# Altium PCB Tag201_GangProgrammerRev2.PcbDoc (part 5 of 7)
Units mil, origin at the board's own origin, x right, y up, seen from the top; angles counter-clockwise.
Board outline 10400 x 10885 mil, 4 copper layers (Top Layer, VCC, GND, Bottom Layer), stack 67.2 mil thick; 831 components, 394 nets, 2486 pads, 638 vias.
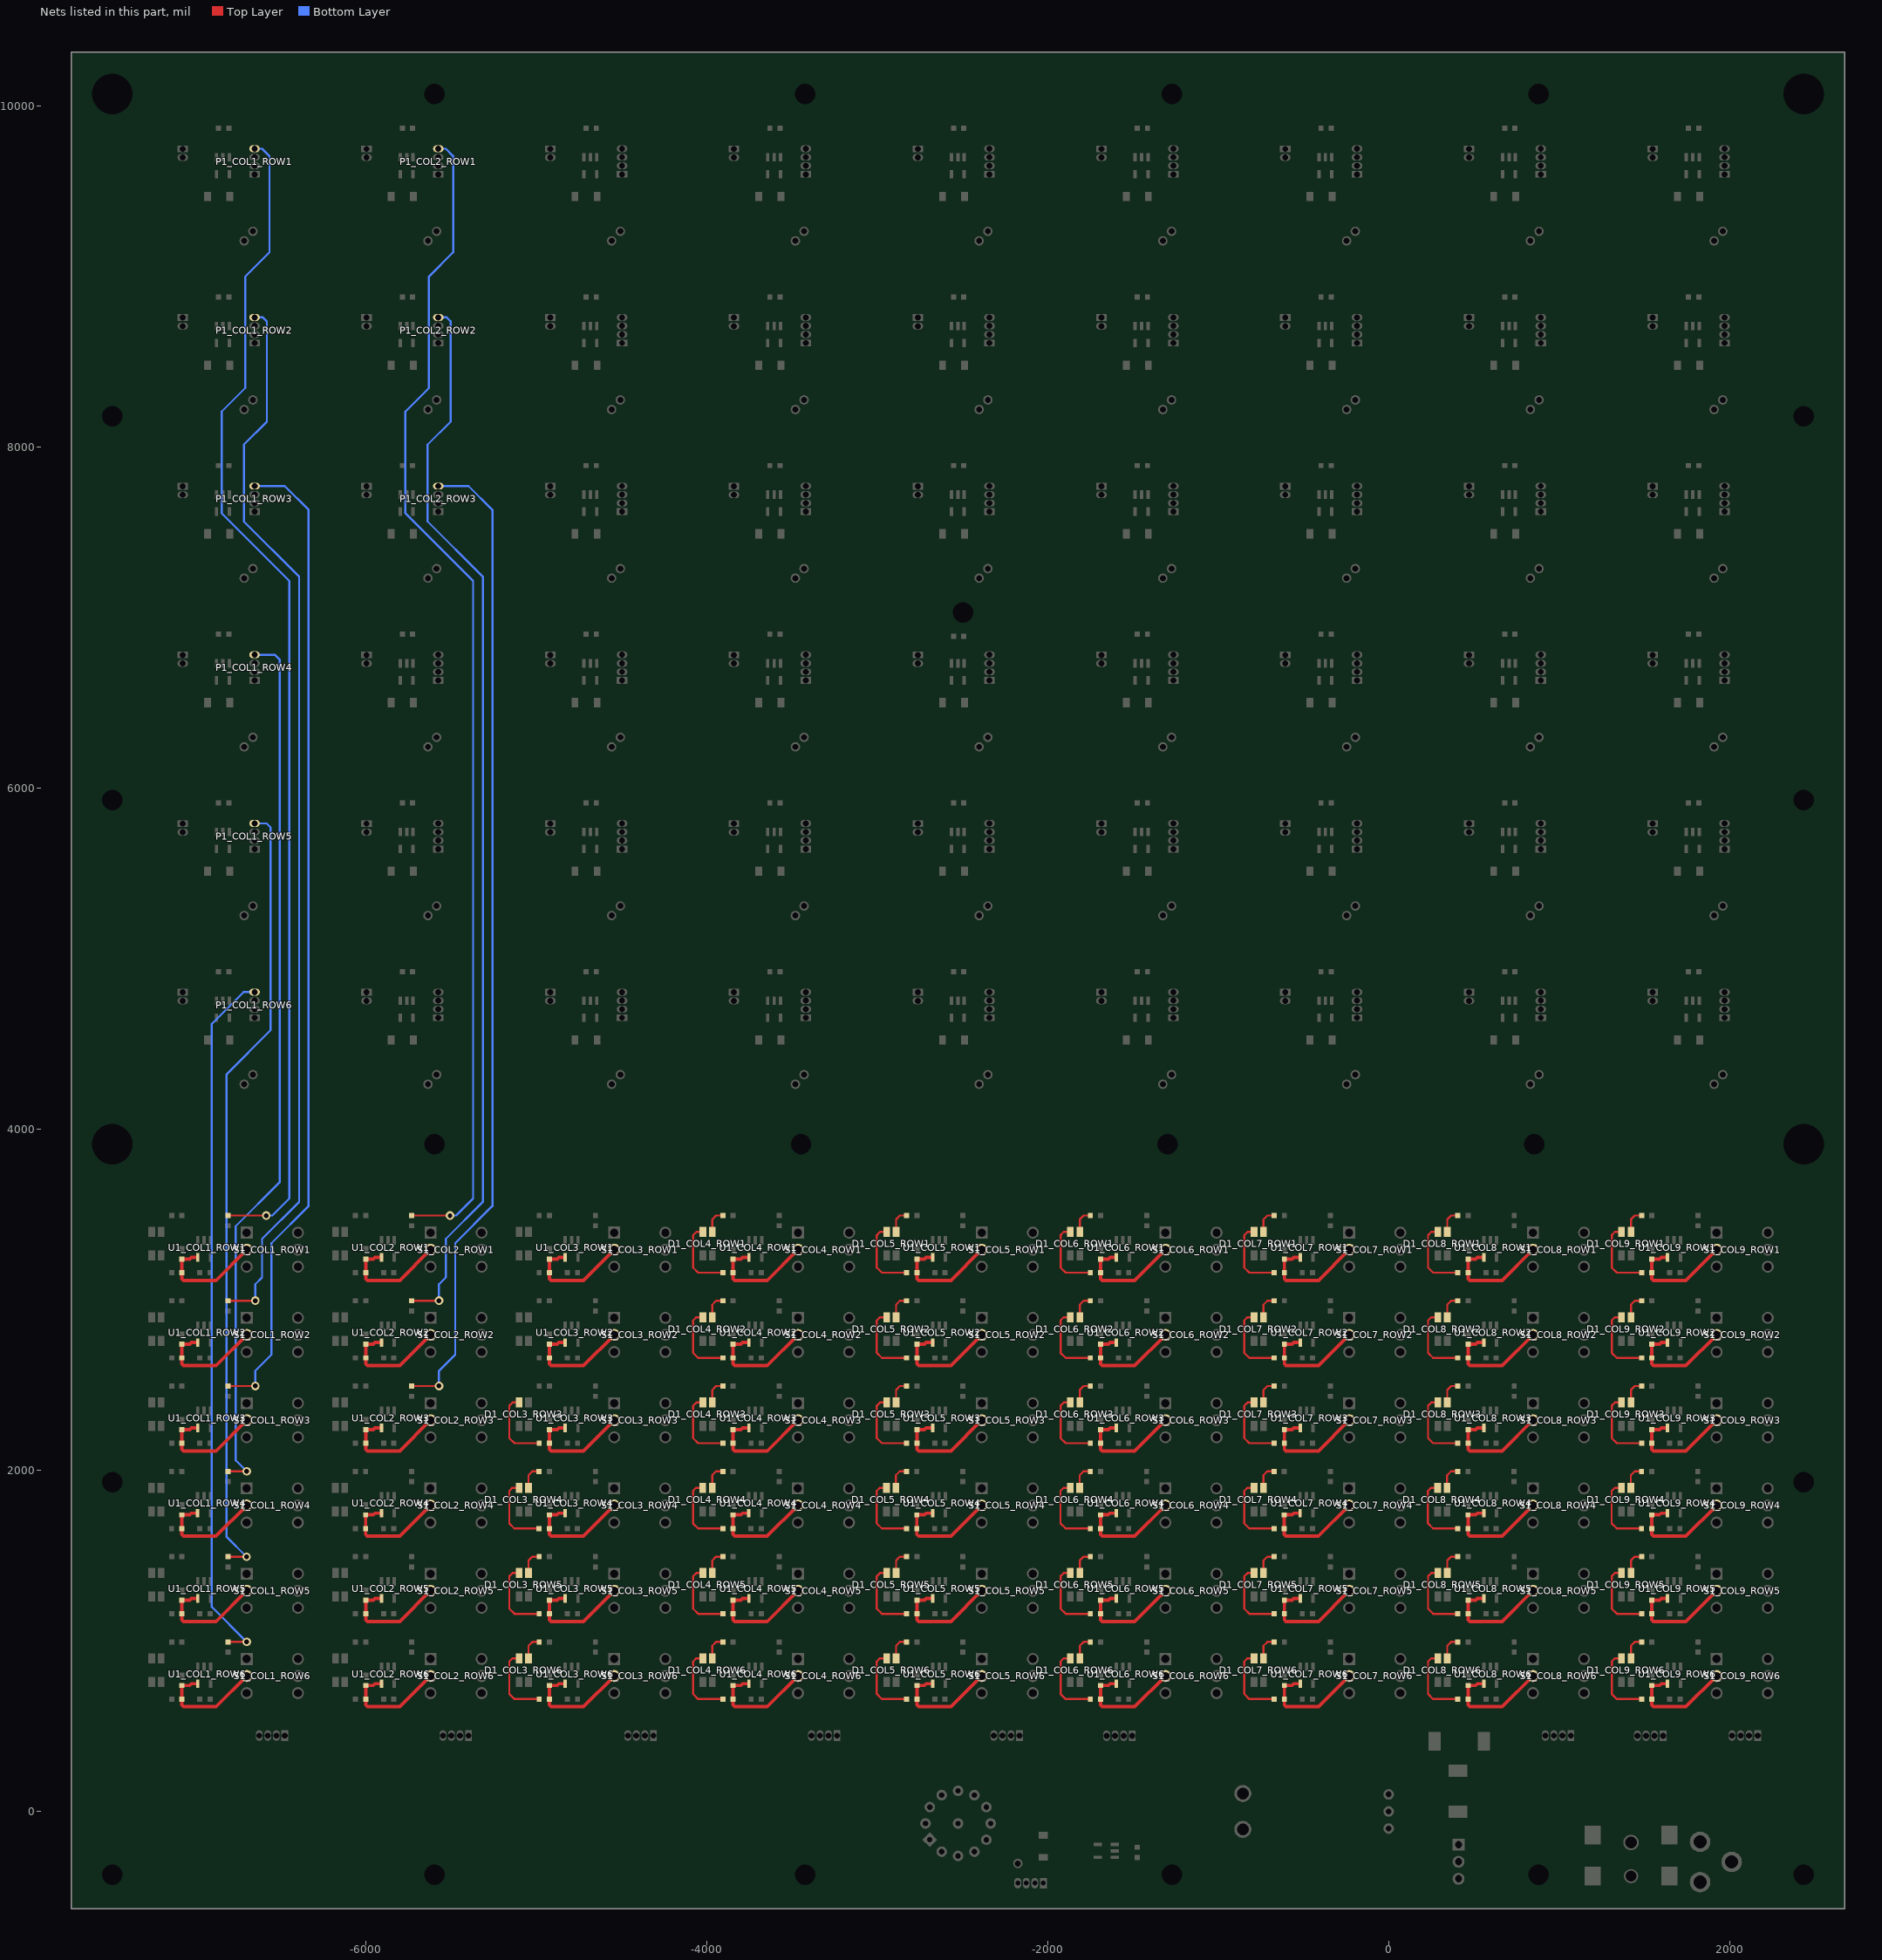
[diagram p7: the nets of this part, all layers, seen from the top]

## Via types
v1: diameter 50, hole 28, Top Layer to Bottom Layer, tented both sides, 638 vias

## Nets (pads, with @x,y where several pads share a name; then routed paths per layer and width w, separated by ;. In a path a pad name is that pad's centre, name@x,y a point inside that pad or via, vN(x,y) a via of type N, cw(c..) or ccw(c..) an arc to the next point about the centre after c; other vN are vias at no path point) (continued)
NetD1_COL3_ROW3_2: D1_COL3_ROW3.2 R2_COL3_ROW3.1 | length 1328.1
  Top Layer w12: -5156.5,2189 -5126.5,2159 ; -5156.5,2189 -5156.5,2379 ; -5156.5,2189 -5126.5,2159 ; -5156.5,2189 -5156.5,2379 ; -5156.5,2189 -5126.5,2159 ; -5156.5,2189 -5156.5,2379 ; -5156.5,2379 -5137.6,2397.9 ; -5156.5,2379 -5137.6,2397.9 ; -5156.5,2379 -5137.6,2397.9 ; -5137.6,2397.9 D1_COL3_ROW3.2@-5099.06,2397.9 ; -5137.6,2397.9 D1_COL3_ROW3.2@-5099.06,2397.9 ; -5137.6,2397.9 D1_COL3_ROW3.2@-5099.06,2397.9 ; -5126.5,2159 R2_COL3_ROW3.1@-4981.5,2159 ; -5126.5,2159 R2_COL3_ROW3.1@-4981.5,2159 ; -5126.5,2159 R2_COL3_ROW3.1@-4981.5,2159
NetD1_COL3_ROW4_1: D1_COL3_ROW4.1 R1_COL3_ROW4.1 | length 145.4
  Top Layer w12: D1_COL3_ROW4.1@-5044.44,1897.9 -5044.44,1971.56 -5022,1994 R1_COL3_ROW4.1@-4982,1994
NetD1_COL3_ROW4_2: D1_COL3_ROW4.2 R2_COL3_ROW4.1 | length 1328.1
  Top Layer w12: -5157,1689 -5127,1659 ; -5157,1689 -5157,1879 ; -5157,1689 -5127,1659 ; -5157,1689 -5157,1879 ; -5157,1689 -5127,1659 ; -5157,1689 -5157,1879 ; -5157,1879 -5138.1,1897.9 ; -5157,1879 -5138.1,1897.9 ; -5157,1879 -5138.1,1897.9 ; -5138.1,1897.9 D1_COL3_ROW4.2@-5099.56,1897.9 ; -5138.1,1897.9 D1_COL3_ROW4.2@-5099.56,1897.9 ; -5138.1,1897.9 D1_COL3_ROW4.2@-5099.56,1897.9 ; -5127,1659 R2_COL3_ROW4.1@-4982,1659 ; -5127,1659 R2_COL3_ROW4.1@-4982,1659 ; -5127,1659 R2_COL3_ROW4.1@-4982,1659
NetD1_COL3_ROW5_1: D1_COL3_ROW5.1 R1_COL3_ROW5.1 | length 145.4
  Top Layer w12: D1_COL3_ROW5.1@-5043.94,1397.9 -5043.94,1471.56 -5021.5,1494 R1_COL3_ROW5.1@-4981.5,1494
NetD1_COL3_ROW5_2: D1_COL3_ROW5.2 R2_COL3_ROW5.1 | length 1328.1
  Top Layer w12: -5156.5,1189 -5126.5,1159 ; -5156.5,1189 -5156.5,1379 ; -5156.5,1189 -5126.5,1159 ; -5156.5,1189 -5156.5,1379 ; -5156.5,1189 -5126.5,1159 ; -5156.5,1189 -5156.5,1379 ; -5156.5,1379 -5137.6,1397.9 ; -5156.5,1379 -5137.6,1397.9 ; -5156.5,1379 -5137.6,1397.9 ; -5137.6,1397.9 D1_COL3_ROW5.2@-5099.06,1397.9 ; -5137.6,1397.9 D1_COL3_ROW5.2@-5099.06,1397.9 ; -5137.6,1397.9 D1_COL3_ROW5.2@-5099.06,1397.9 ; -5126.5,1159 R2_COL3_ROW5.1@-4981.5,1159 ; -5126.5,1159 R2_COL3_ROW5.1@-4981.5,1159 ; -5126.5,1159 R2_COL3_ROW5.1@-4981.5,1159
NetD1_COL3_ROW6_1: D1_COL3_ROW6.1 R1_COL3_ROW6.1 | length 145.4
  Top Layer w12: D1_COL3_ROW6.1@-5043.94,897.9 -5043.94,971.56 -5021.5,994 R1_COL3_ROW6.1@-4981.5,994
NetD1_COL3_ROW6_2: D1_COL3_ROW6.2 R2_COL3_ROW6.1 | length 1328.1
  Top Layer w12: -5156.5,689 -5126.5,659 ; -5156.5,689 -5156.5,879 ; -5156.5,689 -5126.5,659 ; -5156.5,689 -5156.5,879 ; -5156.5,689 -5126.5,659 ; -5156.5,689 -5156.5,879 ; -5156.5,879 -5137.6,897.9 ; -5156.5,879 -5137.6,897.9 ; -5156.5,879 -5137.6,897.9 ; -5137.6,897.9 D1_COL3_ROW6.2@-5099.06,897.9 ; -5137.6,897.9 D1_COL3_ROW6.2@-5099.06,897.9 ; -5137.6,897.9 D1_COL3_ROW6.2@-5099.06,897.9 ; -5126.5,659 R2_COL3_ROW6.1@-4981.5,659 ; -5126.5,659 R2_COL3_ROW6.1@-4981.5,659 ; -5126.5,659 R2_COL3_ROW6.1@-4981.5,659
NetD1_COL4_ROW1_1: D1_COL4_ROW1.1 R1_COL4_ROW1.1 | length 145.4
  Top Layer w12: D1_COL4_ROW1.1@-3966.44,3397.9 -3966.44,3471.56 -3944,3494 R1_COL4_ROW1.1@-3904,3494
NetD1_COL4_ROW1_2: D1_COL4_ROW1.2 R2_COL4_ROW1.1 | length 1328.1
  Top Layer w12: -4079,3189 -4049,3159 ; -4079,3189 -4079,3379 ; -4079,3189 -4049,3159 ; -4079,3189 -4079,3379 ; -4079,3189 -4049,3159 ; -4079,3189 -4079,3379 ; -4079,3379 -4060.1,3397.9 ; -4079,3379 -4060.1,3397.9 ; -4079,3379 -4060.1,3397.9 ; -4060.1,3397.9 D1_COL4_ROW1.2@-4021.56,3397.9 ; -4060.1,3397.9 D1_COL4_ROW1.2@-4021.56,3397.9 ; -4060.1,3397.9 D1_COL4_ROW1.2@-4021.56,3397.9 ; -4049,3159 R2_COL4_ROW1.1@-3904,3159 ; -4049,3159 R2_COL4_ROW1.1@-3904,3159 ; -4049,3159 R2_COL4_ROW1.1@-3904,3159
NetD1_COL4_ROW2_1: D1_COL4_ROW2.1 R1_COL4_ROW2.1 | length 145.4
  Top Layer w12: D1_COL4_ROW2.1@-3966.44,2897.9 -3966.44,2971.56 -3944,2994 R1_COL4_ROW2.1@-3904,2994
NetD1_COL4_ROW2_2: D1_COL4_ROW2.2 R2_COL4_ROW2.1 | length 1328.1
  Top Layer w12: -4079,2689 -4049,2659 ; -4079,2689 -4079,2879 ; -4079,2689 -4049,2659 ; -4079,2689 -4079,2879 ; -4079,2689 -4049,2659 ; -4079,2689 -4079,2879 ; -4079,2879 -4060.1,2897.9 ; -4079,2879 -4060.1,2897.9 ; -4079,2879 -4060.1,2897.9 ; -4060.1,2897.9 D1_COL4_ROW2.2@-4021.56,2897.9 ; -4060.1,2897.9 D1_COL4_ROW2.2@-4021.56,2897.9 ; -4060.1,2897.9 D1_COL4_ROW2.2@-4021.56,2897.9 ; -4049,2659 R2_COL4_ROW2.1@-3904,2659 ; -4049,2659 R2_COL4_ROW2.1@-3904,2659 ; -4049,2659 R2_COL4_ROW2.1@-3904,2659
NetD1_COL4_ROW3_1: D1_COL4_ROW3.1 R1_COL4_ROW3.1 | length 145.4
  Top Layer w12: D1_COL4_ROW3.1@-3966.44,2397.9 -3966.44,2471.56 -3944,2494 R1_COL4_ROW3.1@-3904,2494
NetD1_COL4_ROW3_2: D1_COL4_ROW3.2 R2_COL4_ROW3.1 | length 1328.1
  Top Layer w12: -4079,2189 -4049,2159 ; -4079,2189 -4079,2379 ; -4079,2189 -4049,2159 ; -4079,2189 -4079,2379 ; -4079,2189 -4049,2159 ; -4079,2189 -4079,2379 ; -4079,2379 -4060.1,2397.9 ; -4079,2379 -4060.1,2397.9 ; -4079,2379 -4060.1,2397.9 ; -4060.1,2397.9 D1_COL4_ROW3.2@-4021.56,2397.9 ; -4060.1,2397.9 D1_COL4_ROW3.2@-4021.56,2397.9 ; -4060.1,2397.9 D1_COL4_ROW3.2@-4021.56,2397.9 ; -4049,2159 R2_COL4_ROW3.1@-3904,2159 ; -4049,2159 R2_COL4_ROW3.1@-3904,2159 ; -4049,2159 R2_COL4_ROW3.1@-3904,2159
NetD1_COL4_ROW4_1: D1_COL4_ROW4.1 R1_COL4_ROW4.1 | length 145.4
  Top Layer w12: D1_COL4_ROW4.1@-3966.94,1897.9 -3966.94,1971.56 -3944.5,1994 R1_COL4_ROW4.1@-3904.5,1994
NetD1_COL4_ROW4_2: D1_COL4_ROW4.2 R2_COL4_ROW4.1 | length 1328.1
  Top Layer w12: -4079.5,1689 -4049.5,1659 ; -4079.5,1689 -4079.5,1879 ; -4079.5,1689 -4049.5,1659 ; -4079.5,1689 -4079.5,1879 ; -4079.5,1689 -4049.5,1659 ; -4079.5,1689 -4079.5,1879 ; -4079.5,1879 -4060.6,1897.9 ; -4079.5,1879 -4060.6,1897.9 ; -4079.5,1879 -4060.6,1897.9 ; -4060.6,1897.9 D1_COL4_ROW4.2@-4022.06,1897.9 ; -4060.6,1897.9 D1_COL4_ROW4.2@-4022.06,1897.9 ; -4060.6,1897.9 D1_COL4_ROW4.2@-4022.06,1897.9 ; -4049.5,1659 R2_COL4_ROW4.1@-3904.5,1659 ; -4049.5,1659 R2_COL4_ROW4.1@-3904.5,1659 ; -4049.5,1659 R2_COL4_ROW4.1@-3904.5,1659
NetD1_COL4_ROW5_1: D1_COL4_ROW5.1 R1_COL4_ROW5.1 | length 145.4
  Top Layer w12: D1_COL4_ROW5.1@-3966.44,1397.9 -3966.44,1471.56 -3944,1494 R1_COL4_ROW5.1@-3904,1494
NetD1_COL4_ROW5_2: D1_COL4_ROW5.2 R2_COL4_ROW5.1 | length 1328.1
  Top Layer w12: -4079,1189 -4049,1159 ; -4079,1189 -4079,1379 ; -4079,1189 -4049,1159 ; -4079,1189 -4079,1379 ; -4079,1189 -4049,1159 ; -4079,1189 -4079,1379 ; -4079,1379 -4060.1,1397.9 ; -4079,1379 -4060.1,1397.9 ; -4079,1379 -4060.1,1397.9 ; -4060.1,1397.9 D1_COL4_ROW5.2@-4021.56,1397.9 ; -4060.1,1397.9 D1_COL4_ROW5.2@-4021.56,1397.9 ; -4060.1,1397.9 D1_COL4_ROW5.2@-4021.56,1397.9 ; -4049,1159 R2_COL4_ROW5.1@-3904,1159 ; -4049,1159 R2_COL4_ROW5.1@-3904,1159 ; -4049,1159 R2_COL4_ROW5.1@-3904,1159
NetD1_COL4_ROW6_1: D1_COL4_ROW6.1 R1_COL4_ROW6.1 | length 145.4
  Top Layer w12: D1_COL4_ROW6.1@-3966.44,897.9 -3966.44,971.56 -3944,994 R1_COL4_ROW6.1@-3904,994
NetD1_COL4_ROW6_2: D1_COL4_ROW6.2 R2_COL4_ROW6.1 | length 1328.1
  Top Layer w12: -4079,689 -4049,659 ; -4079,689 -4079,879 ; -4079,689 -4049,659 ; -4079,689 -4079,879 ; -4079,689 -4049,659 ; -4079,689 -4079,879 ; -4079,879 -4060.1,897.9 ; -4079,879 -4060.1,897.9 ; -4079,879 -4060.1,897.9 ; -4060.1,897.9 D1_COL4_ROW6.2@-4021.56,897.9 ; -4060.1,897.9 D1_COL4_ROW6.2@-4021.56,897.9 ; -4060.1,897.9 D1_COL4_ROW6.2@-4021.56,897.9 ; -4049,659 R2_COL4_ROW6.1@-3904,659 ; -4049,659 R2_COL4_ROW6.1@-3904,659 ; -4049,659 R2_COL4_ROW6.1@-3904,659
NetD1_COL5_ROW1_1: D1_COL5_ROW1.1 R1_COL5_ROW1.1 | length 145.4
  Top Layer w12: D1_COL5_ROW1.1@-2888.94,3397.9 -2888.94,3471.56 -2866.5,3494 R1_COL5_ROW1.1@-2826.5,3494
NetD1_COL5_ROW1_2: D1_COL5_ROW1.2 R2_COL5_ROW1.1 | length 1328.1
  Top Layer w12: -3001.5,3189 -2971.5,3159 ; -3001.5,3189 -3001.5,3379 ; -3001.5,3189 -2971.5,3159 ; -3001.5,3189 -3001.5,3379 ; -3001.5,3189 -2971.5,3159 ; -3001.5,3189 -3001.5,3379 ; -3001.5,3379 -2982.6,3397.9 ; -3001.5,3379 -2982.6,3397.9 ; -3001.5,3379 -2982.6,3397.9 ; -2982.6,3397.9 D1_COL5_ROW1.2@-2944.06,3397.9 ; -2982.6,3397.9 D1_COL5_ROW1.2@-2944.06,3397.9 ; -2982.6,3397.9 D1_COL5_ROW1.2@-2944.06,3397.9 ; -2971.5,3159 R2_COL5_ROW1.1@-2826.5,3159 ; -2971.5,3159 R2_COL5_ROW1.1@-2826.5,3159 ; -2971.5,3159 R2_COL5_ROW1.1@-2826.5,3159
NetD1_COL5_ROW2_1: D1_COL5_ROW2.1 R1_COL5_ROW2.1 | length 145.4
  Top Layer w12: D1_COL5_ROW2.1@-2888.94,2897.9 -2888.94,2971.56 -2866.5,2994 R1_COL5_ROW2.1@-2826.5,2994
NetD1_COL5_ROW2_2: D1_COL5_ROW2.2 R2_COL5_ROW2.1 | length 1328.1
  Top Layer w12: -3001.5,2689 -2971.5,2659 ; -3001.5,2689 -3001.5,2879 ; -3001.5,2689 -2971.5,2659 ; -3001.5,2689 -3001.5,2879 ; -3001.5,2689 -2971.5,2659 ; -3001.5,2689 -3001.5,2879 ; -3001.5,2879 -2982.6,2897.9 ; -3001.5,2879 -2982.6,2897.9 ; -3001.5,2879 -2982.6,2897.9 ; -2982.6,2897.9 D1_COL5_ROW2.2@-2944.06,2897.9 ; -2982.6,2897.9 D1_COL5_ROW2.2@-2944.06,2897.9 ; -2982.6,2897.9 D1_COL5_ROW2.2@-2944.06,2897.9 ; -2971.5,2659 R2_COL5_ROW2.1@-2826.5,2659 ; -2971.5,2659 R2_COL5_ROW2.1@-2826.5,2659 ; -2971.5,2659 R2_COL5_ROW2.1@-2826.5,2659
NetD1_COL5_ROW3_1: D1_COL5_ROW3.1 R1_COL5_ROW3.1 | length 145.4
  Top Layer w12: D1_COL5_ROW3.1@-2888.94,2397.9 -2888.94,2471.56 -2866.5,2494 R1_COL5_ROW3.1@-2826.5,2494
NetD1_COL5_ROW3_2: D1_COL5_ROW3.2 R2_COL5_ROW3.1 | length 1328.1
  Top Layer w12: -3001.5,2189 -2971.5,2159 ; -3001.5,2189 -3001.5,2379 ; -3001.5,2189 -2971.5,2159 ; -3001.5,2189 -3001.5,2379 ; -3001.5,2189 -2971.5,2159 ; -3001.5,2189 -3001.5,2379 ; -3001.5,2379 -2982.6,2397.9 ; -3001.5,2379 -2982.6,2397.9 ; -3001.5,2379 -2982.6,2397.9 ; -2982.6,2397.9 D1_COL5_ROW3.2@-2944.06,2397.9 ; -2982.6,2397.9 D1_COL5_ROW3.2@-2944.06,2397.9 ; -2982.6,2397.9 D1_COL5_ROW3.2@-2944.06,2397.9 ; -2971.5,2159 R2_COL5_ROW3.1@-2826.5,2159 ; -2971.5,2159 R2_COL5_ROW3.1@-2826.5,2159 ; -2971.5,2159 R2_COL5_ROW3.1@-2826.5,2159
NetD1_COL5_ROW4_1: D1_COL5_ROW4.1 R1_COL5_ROW4.1 | length 145.4
  Top Layer w12: D1_COL5_ROW4.1@-2889.44,1897.9 -2889.44,1971.56 -2867,1994 R1_COL5_ROW4.1@-2827,1994
NetD1_COL5_ROW4_2: D1_COL5_ROW4.2 R2_COL5_ROW4.1 | length 1328.1
  Top Layer w12: -3002,1689 -2972,1659 ; -3002,1689 -3002,1879 ; -3002,1689 -2972,1659 ; -3002,1689 -3002,1879 ; -3002,1689 -2972,1659 ; -3002,1689 -3002,1879 ; -3002,1879 -2983.1,1897.9 ; -3002,1879 -2983.1,1897.9 ; -3002,1879 -2983.1,1897.9 ; -2983.1,1897.9 D1_COL5_ROW4.2@-2944.56,1897.9 ; -2983.1,1897.9 D1_COL5_ROW4.2@-2944.56,1897.9 ; -2983.1,1897.9 D1_COL5_ROW4.2@-2944.56,1897.9 ; -2972,1659 R2_COL5_ROW4.1@-2827,1659 ; -2972,1659 R2_COL5_ROW4.1@-2827,1659 ; -2972,1659 R2_COL5_ROW4.1@-2827,1659
NetD1_COL5_ROW5_1: D1_COL5_ROW5.1 R1_COL5_ROW5.1 | length 145.4
  Top Layer w12: D1_COL5_ROW5.1@-2888.94,1397.9 -2888.94,1471.56 -2866.5,1494 R1_COL5_ROW5.1@-2826.5,1494
NetD1_COL5_ROW5_2: D1_COL5_ROW5.2 R2_COL5_ROW5.1 | length 1328.1
  Top Layer w12: -3001.5,1189 -2971.5,1159 ; -3001.5,1189 -3001.5,1379 ; -3001.5,1189 -2971.5,1159 ; -3001.5,1189 -3001.5,1379 ; -3001.5,1189 -2971.5,1159 ; -3001.5,1189 -3001.5,1379 ; -3001.5,1379 -2982.6,1397.9 ; -3001.5,1379 -2982.6,1397.9 ; -3001.5,1379 -2982.6,1397.9 ; -2982.6,1397.9 D1_COL5_ROW5.2@-2944.06,1397.9 ; -2982.6,1397.9 D1_COL5_ROW5.2@-2944.06,1397.9 ; -2982.6,1397.9 D1_COL5_ROW5.2@-2944.06,1397.9 ; -2971.5,1159 R2_COL5_ROW5.1@-2826.5,1159 ; -2971.5,1159 R2_COL5_ROW5.1@-2826.5,1159 ; -2971.5,1159 R2_COL5_ROW5.1@-2826.5,1159
NetD1_COL5_ROW6_1: D1_COL5_ROW6.1 R1_COL5_ROW6.1 | length 145.4
  Top Layer w12: D1_COL5_ROW6.1@-2888.94,897.9 -2888.94,971.56 -2866.5,994 R1_COL5_ROW6.1@-2826.5,994
NetD1_COL5_ROW6_2: D1_COL5_ROW6.2 R2_COL5_ROW6.1 | length 1328.1
  Top Layer w12: -3001.5,689 -2971.5,659 ; -3001.5,689 -3001.5,879 ; -3001.5,689 -2971.5,659 ; -3001.5,689 -3001.5,879 ; -3001.5,689 -2971.5,659 ; -3001.5,689 -3001.5,879 ; -3001.5,879 -2982.6,897.9 ; -3001.5,879 -2982.6,897.9 ; -3001.5,879 -2982.6,897.9 ; -2982.6,897.9 D1_COL5_ROW6.2@-2944.06,897.9 ; -2982.6,897.9 D1_COL5_ROW6.2@-2944.06,897.9 ; -2982.6,897.9 D1_COL5_ROW6.2@-2944.06,897.9 ; -2971.5,659 R2_COL5_ROW6.1@-2826.5,659 ; -2971.5,659 R2_COL5_ROW6.1@-2826.5,659 ; -2971.5,659 R2_COL5_ROW6.1@-2826.5,659
NetD1_COL6_ROW1_1: D1_COL6_ROW1.1 R1_COL6_ROW1.1 | length 145.4
  Top Layer w12: D1_COL6_ROW1.1@-1811.44,3397.9 -1811.44,3471.56 -1789,3494 R1_COL6_ROW1.1@-1749,3494
NetD1_COL6_ROW1_2: D1_COL6_ROW1.2 R2_COL6_ROW1.1 | length 1328.1
  Top Layer w12: -1924,3189 -1894,3159 ; -1924,3189 -1924,3379 ; -1924,3189 -1894,3159 ; -1924,3189 -1924,3379 ; -1924,3189 -1894,3159 ; -1924,3189 -1924,3379 ; -1924,3379 -1905.1,3397.9 ; -1924,3379 -1905.1,3397.9 ; -1924,3379 -1905.1,3397.9 ; -1905.1,3397.9 D1_COL6_ROW1.2@-1866.56,3397.9 ; -1905.1,3397.9 D1_COL6_ROW1.2@-1866.56,3397.9 ; -1905.1,3397.9 D1_COL6_ROW1.2@-1866.56,3397.9 ; -1894,3159 R2_COL6_ROW1.1@-1749,3159 ; -1894,3159 R2_COL6_ROW1.1@-1749,3159 ; -1894,3159 R2_COL6_ROW1.1@-1749,3159
NetD1_COL6_ROW2_1: D1_COL6_ROW2.1 R1_COL6_ROW2.1 | length 145.4
  Top Layer w12: D1_COL6_ROW2.1@-1811.44,2897.9 -1811.44,2971.56 -1789,2994 R1_COL6_ROW2.1@-1749,2994
NetD1_COL6_ROW2_2: D1_COL6_ROW2.2 R2_COL6_ROW2.1 | length 1328.1
  Top Layer w12: -1924,2689 -1894,2659 ; -1924,2689 -1924,2879 ; -1924,2689 -1894,2659 ; -1924,2689 -1924,2879 ; -1924,2689 -1894,2659 ; -1924,2689 -1924,2879 ; -1924,2879 -1905.1,2897.9 ; -1924,2879 -1905.1,2897.9 ; -1924,2879 -1905.1,2897.9 ; -1905.1,2897.9 D1_COL6_ROW2.2@-1866.56,2897.9 ; -1905.1,2897.9 D1_COL6_ROW2.2@-1866.56,2897.9 ; -1905.1,2897.9 D1_COL6_ROW2.2@-1866.56,2897.9 ; -1894,2659 R2_COL6_ROW2.1@-1749,2659 ; -1894,2659 R2_COL6_ROW2.1@-1749,2659 ; -1894,2659 R2_COL6_ROW2.1@-1749,2659
NetD1_COL6_ROW3_1: D1_COL6_ROW3.1 R1_COL6_ROW3.1 | length 145.4
  Top Layer w12: D1_COL6_ROW3.1@-1811.44,2397.9 -1811.44,2471.56 -1789,2494 R1_COL6_ROW3.1@-1749,2494
NetD1_COL6_ROW3_2: D1_COL6_ROW3.2 R2_COL6_ROW3.1 | length 1328.1
  Top Layer w12: -1924,2189 -1894,2159 ; -1924,2189 -1924,2379 ; -1924,2189 -1894,2159 ; -1924,2189 -1924,2379 ; -1924,2189 -1894,2159 ; -1924,2189 -1924,2379 ; -1924,2379 -1905.1,2397.9 ; -1924,2379 -1905.1,2397.9 ; -1924,2379 -1905.1,2397.9 ; -1905.1,2397.9 D1_COL6_ROW3.2@-1866.56,2397.9 ; -1905.1,2397.9 D1_COL6_ROW3.2@-1866.56,2397.9 ; -1905.1,2397.9 D1_COL6_ROW3.2@-1866.56,2397.9 ; -1894,2159 R2_COL6_ROW3.1@-1749,2159 ; -1894,2159 R2_COL6_ROW3.1@-1749,2159 ; -1894,2159 R2_COL6_ROW3.1@-1749,2159
NetD1_COL6_ROW4_1: D1_COL6_ROW4.1 R1_COL6_ROW4.1 | length 145.4
  Top Layer w12: D1_COL6_ROW4.1@-1811.94,1897.9 -1811.94,1971.56 -1789.5,1994 R1_COL6_ROW4.1@-1749.5,1994
NetD1_COL6_ROW4_2: D1_COL6_ROW4.2 R2_COL6_ROW4.1 | length 1328.1
  Top Layer w12: -1924.5,1689 -1894.5,1659 ; -1924.5,1689 -1924.5,1879 ; -1924.5,1689 -1894.5,1659 ; -1924.5,1689 -1924.5,1879 ; -1924.5,1689 -1894.5,1659 ; -1924.5,1689 -1924.5,1879 ; -1924.5,1879 -1905.6,1897.9 ; -1924.5,1879 -1905.6,1897.9 ; -1924.5,1879 -1905.6,1897.9 ; -1905.6,1897.9 D1_COL6_ROW4.2@-1867.06,1897.9 ; -1905.6,1897.9 D1_COL6_ROW4.2@-1867.06,1897.9 ; -1905.6,1897.9 D1_COL6_ROW4.2@-1867.06,1897.9 ; -1894.5,1659 R2_COL6_ROW4.1@-1749.5,1659 ; -1894.5,1659 R2_COL6_ROW4.1@-1749.5,1659 ; -1894.5,1659 R2_COL6_ROW4.1@-1749.5,1659
NetD1_COL6_ROW5_1: D1_COL6_ROW5.1 R1_COL6_ROW5.1 | length 145.4
  Top Layer w12: D1_COL6_ROW5.1@-1811.44,1397.9 -1811.44,1471.56 -1789,1494 R1_COL6_ROW5.1@-1749,1494
NetD1_COL6_ROW5_2: D1_COL6_ROW5.2 R2_COL6_ROW5.1 | length 1328.1
  Top Layer w12: -1924,1189 -1894,1159 ; -1924,1189 -1924,1379 ; -1924,1189 -1894,1159 ; -1924,1189 -1924,1379 ; -1924,1189 -1894,1159 ; -1924,1189 -1924,1379 ; -1924,1379 -1905.1,1397.9 ; -1924,1379 -1905.1,1397.9 ; -1924,1379 -1905.1,1397.9 ; -1905.1,1397.9 D1_COL6_ROW5.2@-1866.56,1397.9 ; -1905.1,1397.9 D1_COL6_ROW5.2@-1866.56,1397.9 ; -1905.1,1397.9 D1_COL6_ROW5.2@-1866.56,1397.9 ; -1894,1159 R2_COL6_ROW5.1@-1749,1159 ; -1894,1159 R2_COL6_ROW5.1@-1749,1159 ; -1894,1159 R2_COL6_ROW5.1@-1749,1159
NetD1_COL6_ROW6_1: D1_COL6_ROW6.1 R1_COL6_ROW6.1 | length 145.4
  Top Layer w12: D1_COL6_ROW6.1@-1811.44,897.9 -1811.44,971.56 -1789,994 R1_COL6_ROW6.1@-1749,994
NetD1_COL6_ROW6_2: D1_COL6_ROW6.2 R2_COL6_ROW6.1 | length 1328.1
  Top Layer w12: -1924,689 -1894,659 ; -1924,689 -1924,879 ; -1924,689 -1894,659 ; -1924,689 -1924,879 ; -1924,689 -1894,659 ; -1924,689 -1924,879 ; -1924,879 -1905.1,897.9 ; -1924,879 -1905.1,897.9 ; -1924,879 -1905.1,897.9 ; -1905.1,897.9 D1_COL6_ROW6.2@-1866.56,897.9 ; -1905.1,897.9 D1_COL6_ROW6.2@-1866.56,897.9 ; -1905.1,897.9 D1_COL6_ROW6.2@-1866.56,897.9 ; -1894,659 R2_COL6_ROW6.1@-1749,659 ; -1894,659 R2_COL6_ROW6.1@-1749,659 ; -1894,659 R2_COL6_ROW6.1@-1749,659
NetD1_COL7_ROW1_1: D1_COL7_ROW1.1 R1_COL7_ROW1.1 | length 145.4
  Top Layer w12: D1_COL7_ROW1.1@-733.94,3397.9 -733.94,3471.56 -711.5,3494 R1_COL7_ROW1.1@-671.5,3494
NetD1_COL7_ROW1_2: D1_COL7_ROW1.2 R2_COL7_ROW1.1 | length 1328.1
  Top Layer w12: -846.5,3189 -816.5,3159 ; -846.5,3189 -846.5,3379 ; -846.5,3189 -816.5,3159 ; -846.5,3189 -846.5,3379 ; -846.5,3189 -816.5,3159 ; -846.5,3189 -846.5,3379 ; -846.5,3379 -827.6,3397.9 ; -846.5,3379 -827.6,3397.9 ; -846.5,3379 -827.6,3397.9 ; -827.6,3397.9 D1_COL7_ROW1.2@-789.06,3397.9 ; -827.6,3397.9 D1_COL7_ROW1.2@-789.06,3397.9 ; -827.6,3397.9 D1_COL7_ROW1.2@-789.06,3397.9 ; -816.5,3159 R2_COL7_ROW1.1@-671.5,3159 ; -816.5,3159 R2_COL7_ROW1.1@-671.5,3159 ; -816.5,3159 R2_COL7_ROW1.1@-671.5,3159
NetD1_COL7_ROW2_1: D1_COL7_ROW2.1 R1_COL7_ROW2.1 | length 145.4
  Top Layer w12: D1_COL7_ROW2.1@-733.94,2897.9 -733.94,2971.56 -711.5,2994 R1_COL7_ROW2.1@-671.5,2994
NetD1_COL7_ROW2_2: D1_COL7_ROW2.2 R2_COL7_ROW2.1 | length 1328.1
  Top Layer w12: -846.5,2689 -816.5,2659 ; -846.5,2689 -846.5,2879 ; -846.5,2689 -816.5,2659 ; -846.5,2689 -846.5,2879 ; -846.5,2689 -816.5,2659 ; -846.5,2689 -846.5,2879 ; -846.5,2879 -827.6,2897.9 ; -846.5,2879 -827.6,2897.9 ; -846.5,2879 -827.6,2897.9 ; -827.6,2897.9 D1_COL7_ROW2.2@-789.06,2897.9 ; -827.6,2897.9 D1_COL7_ROW2.2@-789.06,2897.9 ; -827.6,2897.9 D1_COL7_ROW2.2@-789.06,2897.9 ; -816.5,2659 R2_COL7_ROW2.1@-671.5,2659 ; -816.5,2659 R2_COL7_ROW2.1@-671.5,2659 ; -816.5,2659 R2_COL7_ROW2.1@-671.5,2659
NetD1_COL7_ROW3_1: D1_COL7_ROW3.1 R1_COL7_ROW3.1 | length 145.4
  Top Layer w12: D1_COL7_ROW3.1@-733.94,2397.9 -733.94,2471.56 -711.5,2494 R1_COL7_ROW3.1@-671.5,2494
NetD1_COL7_ROW3_2: D1_COL7_ROW3.2 R2_COL7_ROW3.1 | length 1328.1
  Top Layer w12: -846.5,2189 -816.5,2159 ; -846.5,2189 -846.5,2379 ; -846.5,2189 -816.5,2159 ; -846.5,2189 -846.5,2379 ; -846.5,2189 -816.5,2159 ; -846.5,2189 -846.5,2379 ; -846.5,2379 -827.6,2397.9 ; -846.5,2379 -827.6,2397.9 ; -846.5,2379 -827.6,2397.9 ; -827.6,2397.9 D1_COL7_ROW3.2@-789.06,2397.9 ; -827.6,2397.9 D1_COL7_ROW3.2@-789.06,2397.9 ; -827.6,2397.9 D1_COL7_ROW3.2@-789.06,2397.9 ; -816.5,2159 R2_COL7_ROW3.1@-671.5,2159 ; -816.5,2159 R2_COL7_ROW3.1@-671.5,2159 ; -816.5,2159 R2_COL7_ROW3.1@-671.5,2159
NetD1_COL7_ROW4_1: D1_COL7_ROW4.1 R1_COL7_ROW4.1 | length 145.4
  Top Layer w12: D1_COL7_ROW4.1@-734.44,1897.9 -734.44,1971.56 -712,1994 R1_COL7_ROW4.1@-672,1994
NetD1_COL7_ROW4_2: D1_COL7_ROW4.2 R2_COL7_ROW4.1 | length 1328.1
  Top Layer w12: -847,1689 -817,1659 ; -847,1689 -847,1879 ; -847,1689 -817,1659 ; -847,1689 -847,1879 ; -847,1689 -817,1659 ; -847,1689 -847,1879 ; -847,1879 -828.1,1897.9 ; -847,1879 -828.1,1897.9 ; -847,1879 -828.1,1897.9 ; -828.1,1897.9 D1_COL7_ROW4.2@-789.56,1897.9 ; -828.1,1897.9 D1_COL7_ROW4.2@-789.56,1897.9 ; -828.1,1897.9 D1_COL7_ROW4.2@-789.56,1897.9 ; -817,1659 R2_COL7_ROW4.1@-672,1659 ; -817,1659 R2_COL7_ROW4.1@-672,1659 ; -817,1659 R2_COL7_ROW4.1@-672,1659
NetD1_COL7_ROW5_1: D1_COL7_ROW5.1 R1_COL7_ROW5.1 | length 145.4
  Top Layer w12: D1_COL7_ROW5.1@-733.94,1397.9 -733.94,1471.56 -711.5,1494 R1_COL7_ROW5.1@-671.5,1494
NetD1_COL7_ROW5_2: D1_COL7_ROW5.2 R2_COL7_ROW5.1 | length 1328.1
  Top Layer w12: -846.5,1189 -816.5,1159 ; -846.5,1189 -846.5,1379 ; -846.5,1189 -816.5,1159 ; -846.5,1189 -846.5,1379 ; -846.5,1189 -816.5,1159 ; -846.5,1189 -846.5,1379 ; -846.5,1379 -827.6,1397.9 ; -846.5,1379 -827.6,1397.9 ; -846.5,1379 -827.6,1397.9 ; -827.6,1397.9 D1_COL7_ROW5.2@-789.06,1397.9 ; -827.6,1397.9 D1_COL7_ROW5.2@-789.06,1397.9 ; -827.6,1397.9 D1_COL7_ROW5.2@-789.06,1397.9 ; -816.5,1159 R2_COL7_ROW5.1@-671.5,1159 ; -816.5,1159 R2_COL7_ROW5.1@-671.5,1159 ; -816.5,1159 R2_COL7_ROW5.1@-671.5,1159